# Altium PCB Item.PcbDoc
Units mm, origin at the board's own origin, x right, y up, seen from the top; angles counter-clockwise.
Board outline 40.5 x 39 mm, 2 copper layers (Top Layer, Bottom Layer); 35 components, 43 nets, 168 pads, 98 vias.
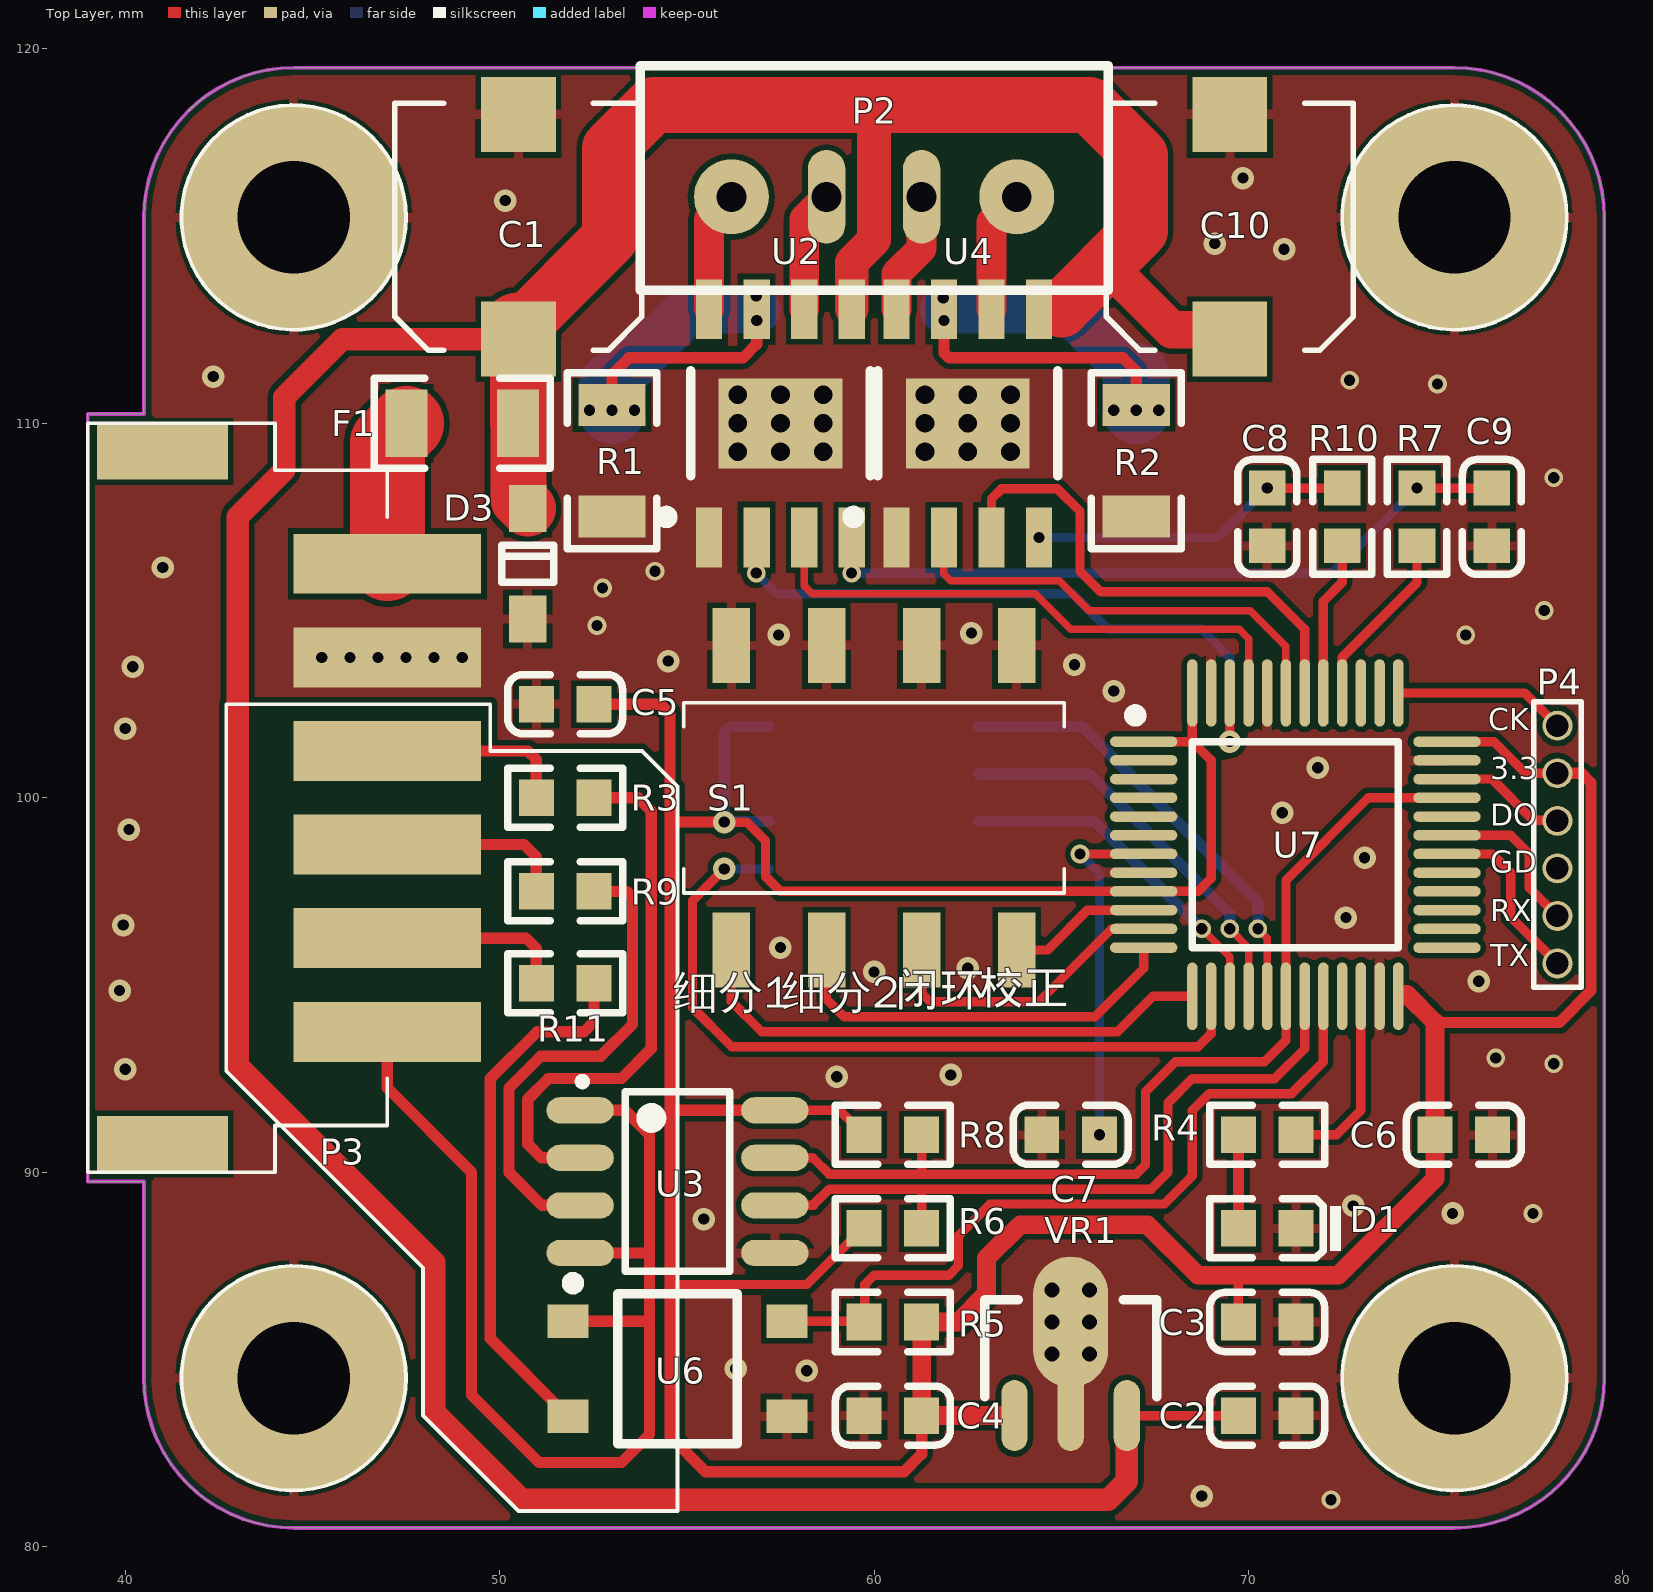
[diagram p0: Top Layer view]
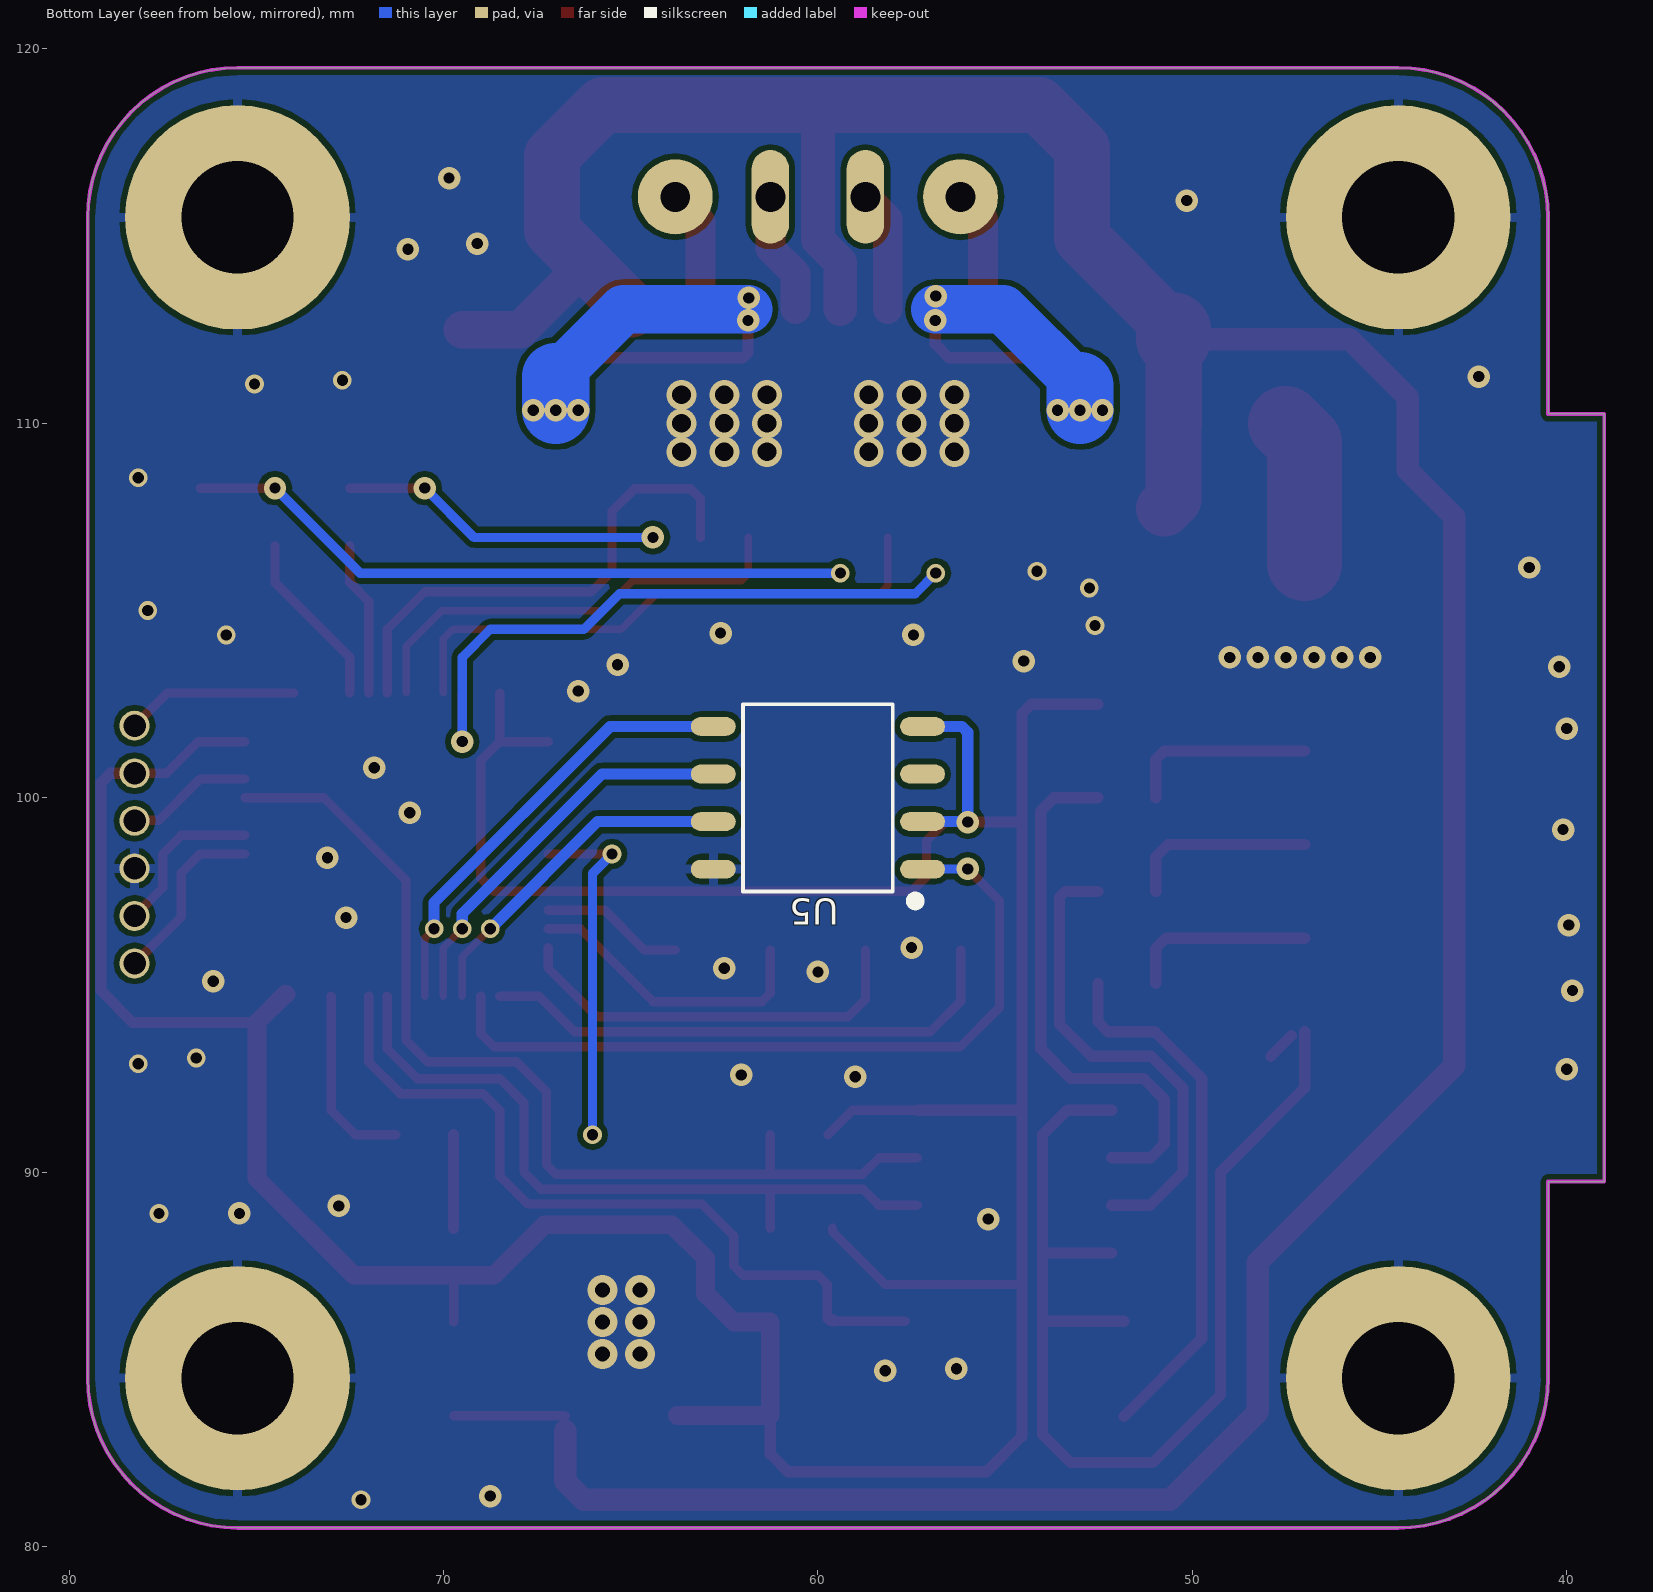
[diagram p1: Bottom Layer view, seen from below]
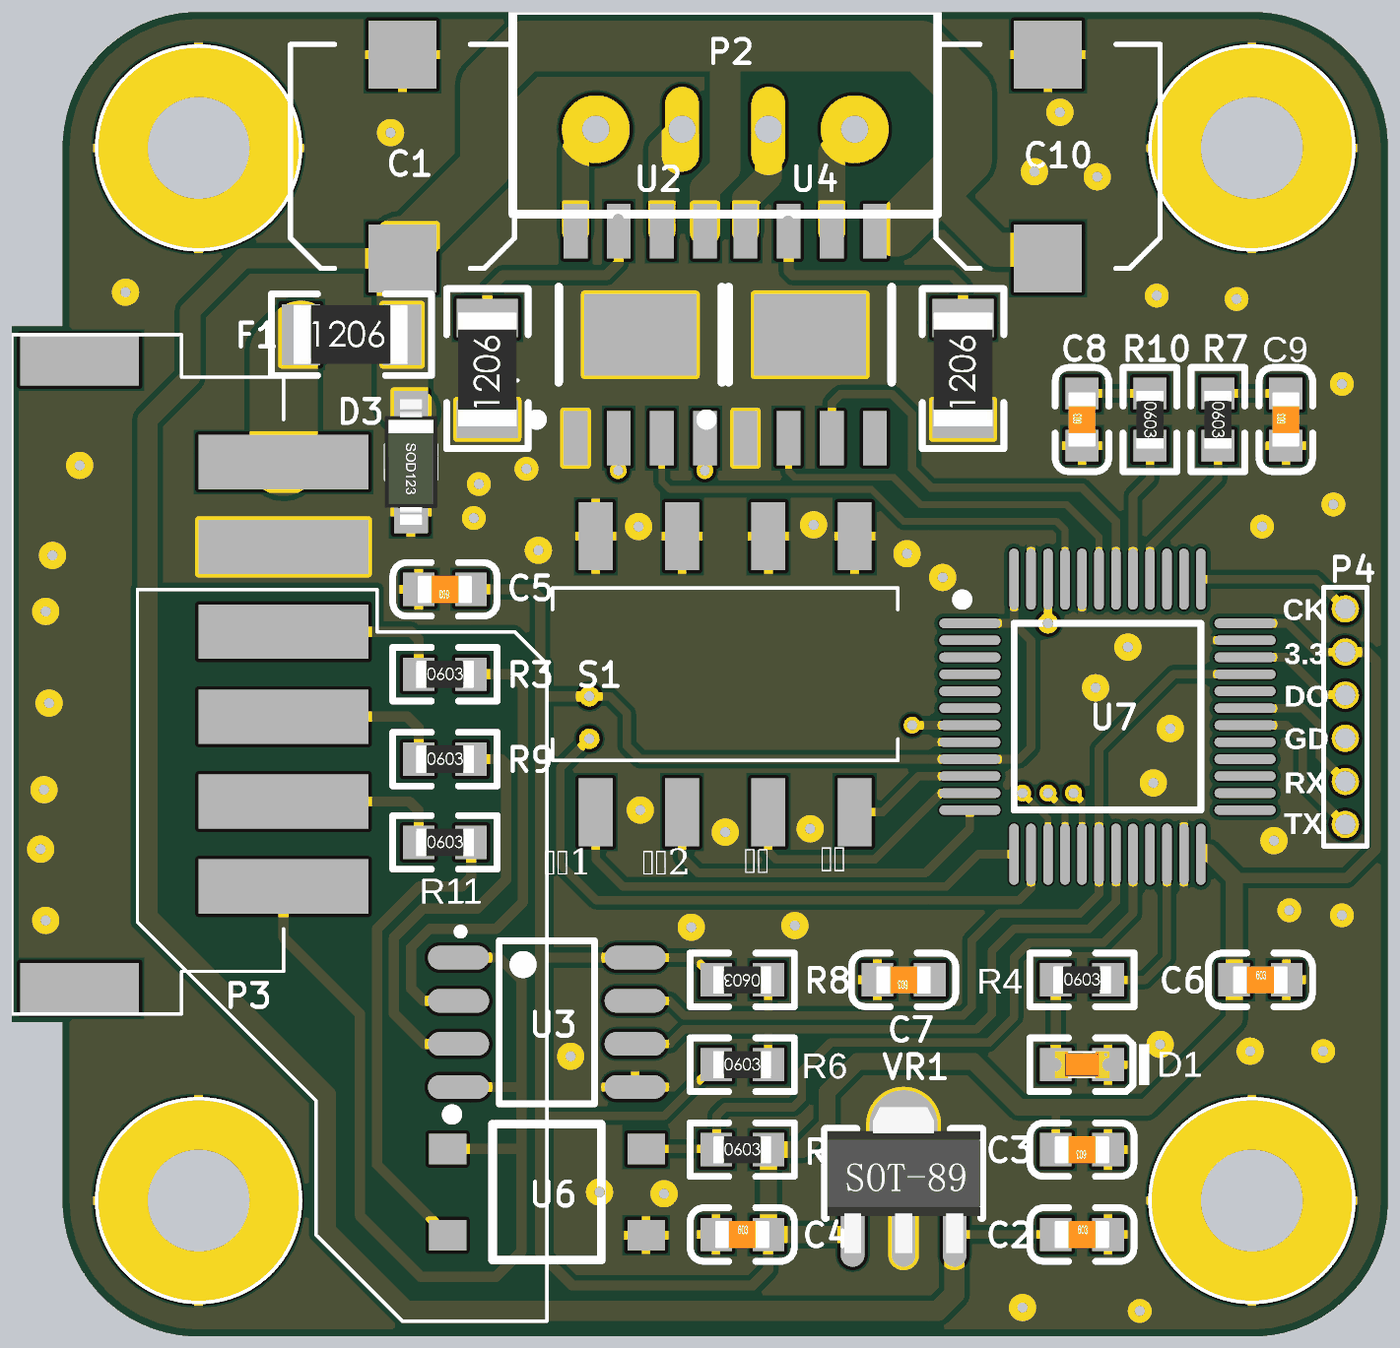
[diagram p2: 3D render of the assembled board from above, using the file's embedded part models]

## Layer stack, top to bottom
Top Layer: signal copper 0.0356
Dielectric: dielectric 0.32, FR-4, Dk 4.8
Bottom Layer: signal copper 0.0356

## Board outline
39,89.75 39,110.25 40.5,110.25 40.5,115.5 cw(c44.5,115.5) 44.5,119.5 75.5,119.5 cw(c75.5,115.5) 79.5,115.5 79.5,84.5 cw(c75.5,84.5) 75.5,80.5 44.5,80.5 cw(c44.5,84.5) 40.5,84.5 40.5,89.75

## Design rules (kind name [scope] priority, off if disabled: settings)
Clearance Clearance_1 [All] p1: gap=0.15
ComponentClearance [All] p1: gap=0 collisioncheckmode=3 verticalgap=0 showdistances=FALSE
HoleSize [All] p1: absolutevalues=TRUE maxlimit=5 minlimit=0.3 maxpercent=80.000 minpercent=20.000
HoleToHoleClearance [All] p1: gap=0.16 allowstackedmicrovias=TRUE
MinimumSolderMaskSliver [All] p1: minsoldermaskwidth=0
PolygonConnect PolygonConnect_2 [(InComponent('U2') OR InComponent('R1') OR InComponent('R2') OR InComponent('P3'))OR InComponent('U4') OR InComponent('VR1')] p1: connectstyle=Direct reliefconductorwidth=0.254 reliefentries=4 polygonreliefangle="90 Angle"
PolygonConnect PolygonConnect_1 [isvia] p2: connectstyle=Direct reliefconductorwidth=0.254 reliefentries=4 polygonreliefangle="90 Angle"
PolygonConnect [All] p3: connectstyle=Relief reliefconductorwidth=0.254 reliefentries=4 polygonreliefangle="90 Angle"
RoutingVias [All] p1: holewidth=0.3 width=0.6 viastyle="Through Hole" minholewidth=0.3 minwidth=0.5 maxholewidth=0.711 maxwidth=1.27
SilkToSilkClearance [All] p1: silktosilkclearance=0
SilkscreenOverComponentPads [All] p1: minsilkscreentomaskgap=0.1
SolderMaskExpansion [All] p1: expansion=0.102
Width [All] p1: maxlimit=5 minlimit=0.16 preferedwidth=0.25
22 further rules are at their usual default settings.

## Components (designator, comment, footprint, x,y, rotation, side; value= is the part's Value field where it differs from the comment)
C1 "CAP POL" CAP6377 50.5,115.25 r180 top
C2 "100nF (104) 10% 50V" 0603_C 70.5,83.5 r0 top
C3 "1uF (105) 10% 50V" 0603_C 70.5,86 r180 top
C4 "1uF (105) 10% 50V" 0603_C 60.5,83.5 r0 top
C5 "100nF (104) 10% 50V" 0603_C 51.75,102.5 r180 top
C6 "100nF (104) 10% 50V" 0603_C 75.75,91 r0 top
C7 "100nF (104) 10% 50V" 0603_C 65.25,91 r180 top
C8 "100nF (104) 10% 50V" 0603_C 70.5,107.5 r90 top
C9 "100nF (104) 10% 50V" 0603_C 76.5,107.5 r90 top
C10 "CAP POL" CAP6377 69.5,115.25 r180 top
D1 "蓝灯 0603" 0603_LED_S1 70.5,88.5 r180 top
D3 "DIODE" SOD-123 50.75,106.25 r270 top
F1 "FUSE" 1206_R 49,110 r0 top
P2 "HEADER4" XH-4 60,116.05 r180 top
P3 "HEADER6" XH-6-S 44,100 r90 top
P4 "HEADER6" 6P-1.27MM 78.25,98.75 r270 top
R1 "0.1Ω (R100) ±1%" 1206_R 53,109 r90 top
R2 "0.1Ω (R100) ±1%" 1206_R 67,109 r90 top
R3 "390Ω (3900) ±1%" 0603_R 51.75,100 r0 top
R4 "1KΩ (1001) ±1%" 0603_R 70.5,91 r0 top
R5 "1KΩ (1001) ±1%" 0603_R 60.5,86 r0 top
R6 "1KΩ (1001) ±1%" 0603_R 60.5,88.5 r0 top
R7 "1KΩ (1001) ±1%" 0603_R 74.5,107.5 r270 top
R8 "1KΩ (1001) ±1%" 0603_R 60.5,91 r180 top
R9 "390Ω (3900) ±1%" 0603_R 51.75,97.5 r0 top
R10 "1KΩ (1001) ±1%" 0603_R 72.5,107.5 r270 top
R11 "390Ω (3900) ±1%" 0603_R 51.75,95.05 r0 top
S1 "SWDIP-4" SWSUR-4 60,100 r90 top
U2 "A4950" SOIC-8_A4950 57.5,110 r0 top
U3 "TLP2168" SO-8_3.9MM 54.75,89.75 r270 top
U4 "A4950" SOIC-8_A4950 62.5,110 r0 top
U5 "MT6816" PG-DSO-8S 60,100 r0 bottom
U6 "EL357N(B)(TA)-G" SOP-4_P2.54 54.75,84.75 r0 top
U7 "STM32F030C8T6" LQFP-48_7x7x05P 71.25,98.75 r270 top
VR1 "78L05G-AB3-R" SOT-89(SOT-89-3) 65.25,83.5 r270 top

## Footprints (in the part's own frame and the unit in brackets; to place one, negate y for a bottom-side part, rotate by r counter-clockwise, add the part's x,y. Pads: shape width x height; smd on the part's side, far side on the other; paste and mask are expansions set on the pad)
6P-1.27MM [mm]
  round 0.8 hole 0.6: 1(-3.175,0) 2(-1.905,0) 3(-0.635,0) 4(0.635,0) 5(1.905,0) 6(3.175,0)
  silkscreen extent -3.81,-0.64 3.81,0.64
0603_C [mm]
  rect 0.93x0.98 smd: 1(-0.77,0) 2(0.77,0)
  silkscreen extent -1.53,-0.79 1.54,0.79, body extent -0.8,-0.4 0.8,0.4, height 0.3
0603_LED_S1 [mm]
  rect 0.93x0.98 smd: A(0.77,0) K(-0.77,0)
  silkscreen extent -1.98,-0.79 1.54,0.79, body extent -0.8,-0.4 0.8,0.4, height 0.6
0603_R [mm]
  rect 0.93x0.98 smd: 1(-0.77,0) 2(0.77,0)
  silkscreen extent -1.53,-0.79 1.54,0.79, body extent -0.85,-0.4 0.85,0.4, height 0.56
1206_R [mm]
  rect 1.13x1.8 smd: 1(-1.49,0) 2(1.49,0)
  silkscreen extent -2.36,-1.2 2.35,1.2, body extent -1.7,-0.86 1.65,0.87, height 0.85
CAP6377 [mm]
  rect 2x2 smd: 1(0,3) 2(0,-3)
  silkscreen extent -3.3,-3.3 3.3,3.3
LQFP-48_7x7x05P [mm]
  oval 0.28x1.8 smd mask+0.051: 1(-2.75,-4.05) 2(-2.25,-4.05) 3(-1.75,-4.05) 4(-1.25,-4.05) 5(-0.75,-4.05) 6(-0.25,-4.05) 7(0.25,-4.05) 8(0.75,-4.05) 9(1.25,-4.05) 10(1.75,-4.05) 11(2.25,-4.05) 12(2.75,-4.05) 25(2.75,4.05) 26(2.25,4.05) 27(1.75,4.05) 28(1.25,4.05) 29(0.75,4.05) 30(0.25,4.05) 31(-0.25,4.05) 32(-0.75,4.05) 33(-1.25,4.05) 34(-1.75,4.05) 35(-2.25,4.05) 36(-2.75,4.05)
  oval 1.8x0.28 smd mask+0.051: 13(4.05,-2.75) 14(4.05,-2.25) 15(4.05,-1.75) 16(4.05,-1.25) 17(4.05,-0.75) 18(4.05,-0.25) 19(4.05,0.25) 20(4.05,0.75) 21(4.05,1.25) 22(4.05,1.75) 23(4.05,2.25) 24(4.05,2.75) 37(-4.05,2.75) 38(-4.05,2.25) 39(-4.05,1.75) 40(-4.05,1.25) 41(-4.05,0.75) 42(-4.05,0.25) 43(-4.05,-0.25) 44(-4.05,-0.75) 45(-4.05,-1.25) 46(-4.05,-1.75) 47(-4.05,-2.25) 48(-4.05,-2.75)
  silkscreen extent -3.6,-4.42 2.75,2.75
PG-DSO-8S [mm] "SOP, 8-Leads, Body 4.9x3.9mm, Pitch 1.27mm, IPC Medium Density"
  oval 1.2x0.5 smd: 1(-2.794,1.905) 2(-2.794,0.635) 3(-2.794,-0.635) 4(-2.794,-1.905) 5(2.794,-1.905) 6(2.794,-0.635) 7(2.794,0.635) 8(2.794,1.905)
  silkscreen extent -2.72,-2.5 2,2.88
SO-8_3.9MM [mm]
  oval 0.7x1.8 smd: 1(-1.905,-2.6) 2(-0.635,-2.6) 3(0.635,-2.6) 4(1.905,-2.6) 5(1.905,2.6) 6(0.635,2.6) 7(-0.635,2.6) 8(-1.905,2.6)
  silkscreen extent -2.75,-2.62 2.4,1.4
SOD-123 [mm]
  rect 1.25x1 smd: 1(1.475,0) 2(-1.475,0)
  silkscreen extent -0.5,-0.7 0.5,0.7, body extent -1.85,-0.77 1.85,0.78, height 1.35
SOIC-8_A4950 [mm]
  rect 0.7x1.6 smd: 1(-1.905,-3.048) 2(-0.635,-3.048) 3(0.635,-3.048) 4(1.905,-3.048) 5(1.905,3.048) 6(0.635,3.048) 7(-0.635,3.048) 8(-1.905,3.048)
  rect 3.3x2.4 smd: 9(0,-0.005)
  silkscreen extent -3.2,-2.65 2.4,1.4
SOP-4_P2.54 [mm]
  rect 1.1x0.9 smd: 1(-2.921,1.27) 2(-2.921,-1.27) 3(2.921,-1.27) 4(2.921,1.27)
  silkscreen extent -2.94,-2 1.6,2.44
SOT-89(SOT-89-3) [mm]
  oval 1.9x0.7 smd: 1(0,-1.5) 3(0,1.5)
  oval 3.5x2 smd: 2(-2.5,0)
  oval 2.1x0.7 smd: 2(-0.1,0)
  silkscreen extent -3.1,-2.3 -0.5,2.3, body extent -3.75,-2.25 0.55,2.25, height 1.51
SWSUR-4 [mm]
  rect 2x1 smd: 1(-4.064,3.81) 2(4.064,3.81) 3(-4.064,1.27) 4(4.064,1.27) 5(-4.064,-1.27) 6(4.064,-1.27) 7(-4.064,-3.81) 8(4.064,-3.81)
  silkscreen extent -2.54,-5.08 2.54,5.08
XH-4 [mm]
  round 2 hole 0.8: 1(-3.81,0) 4(3.81,0)
  oval 1x2.5 hole 0.8: 2(-1.27,0) 3(1.27,0)
  silkscreen extent -6.25,-3.5 6.25,2.5
XH-6-S [mm]
  rect 1.6x5 smd: 1(6.25,-3) 2(3.75,-3) 3(1.25,-3) 4(-1.25,-3) 5(-3.75,-3) 6(-6.25,-3)
  rect 1.5x3.5 smd: ""(-9.25,3) ""(9.25,3)
  silkscreen extent -10,-3 10,5

## Part data
C1 C10: "Polarized Capacitor (Axial)"
C2 C5 C6 C7 C8 C9: library part "0603 100nF (104) 10% 50V", "贴片µ"
C3 C4: library part "0603 1uF (105) 10% 50V", "贴片µ"
D1: library part "0603 蓝灯", "发光"
D3: "Diode"
F1: "Fuse"
P2: "Header, 4-Pin"
P3 P4: "Header, 6-Pin"
R1 R2: library part "1206 0.1Ω (R100) 1%", "贴片"
R3 R9 R11: library part "0603 390Ω (3900) 1%", "贴片"
R4 R5 R6 R7 R8 R10: library part "0603 1KΩ (1001) 1%", "贴片"
S1: "DIP Switch, 4Position, SPST"
U2 U4: "Dual Full-Bridge  DMOS PWM Motor Driver"
U3: "HIGH SPEED 10MBit/s LOGIC GATE  PHOTOCOUPLER"
U5: "GMR-Based Angle Sensor"
U6: library part EL357N(B)(TA)-G_[C6649], "贴片¹"
U7: "ARM"
VR1: library part "SOT-89 78L05G-AB3-R", "低压差线性稳Ñ"

## Free pads (board coordinates)
  round 6 hole 3: ""(44.5,84.5) ""(44.5,115.5) ""(75.5,84.5) ""(75.5,115.5)

## Via types
v1: diameter 0.6, hole 0.3, Top Layer to Bottom Layer, 55 vias
v2: diameter 0.5, hole 0.3, Top Layer to Bottom Layer, 19 vias
v3: diameter 0.8, hole 0.5, Top Layer to Bottom Layer, 18 vias
v4: diameter 0.8, hole 0.4, Top Layer to Bottom Layer, 6 vias

## Nets (pads, with @x,y where several pads share a name; then routed paths per layer and width w, separated by ;. In a path a pad name is that pad's centre, name@x,y a point inside that pad or via, vN(x,y) a via of type N, cw(c..) or ccw(c..) an arc to the next point about the centre after c; other vN are vias at no path point)
3.3V: C3.2 C4.2 C5.1 C6.1 P4.2 R5.2 R6.1 R8.2 U3.8 U5.2 U5.4 U7.1 U7.9 U7.24 U7.36 U7.48 VR1.1 | length 111.1
  Top Layer w0.25: 54.55,87 58.2,87 59.61,88.41 R6.1@59.61,88.5 ; v1(56,99.35) 56.6,99.35 57.1,98.85 57.1,97.9 57.5,97.5 U7.9 68.65,97.5 69,97.85 69,101 68.5,101.5 ; U3.8 59.075,91.655 R8.2 ; U7.1 68.5,101.5 ; U7.48 68.5,101.5 ; C3.2 69.73,87.23 69.75,87.25 ; U7.36 76.55,101.5 77.395,100.655 P4.2
  Top Layer w0.3: C5.1 54.3,102.5 54.55,102.25 54.55,99.35 ; v1(56,99.35) 54.55,99.35 ; U3.8 54.55,91.655 ; C4.2 61.27,82.47 60.8,82 55.5,82 54.55,82.95 54.55,87 54.55,91.655 ; 74.98,94 78.3,94 79.15,94.85 79.15,100.4 78.895,100.655 P4.2 ; 54.55,91.655 54.55,99.35
  Top Layer w0.5: VR1.1 C4.2 R5.2 62.25,86 63,86.75 63,87.7 63.9,88.6 67.3,88.6 68.65,87.25 69.75,87.25 72.4,87.25 74.98,89.83 C6.1 74.98,94 74.23,94.75 74.2,94.75
  Bottom Layer w0.25: v1(56,99.35) v1@56.015,99.365
  Bottom Layer w0.3: v1(56,99.35) 56,101.75 56.155,101.905 U5.4 ; v1@56.015,99.365 U5.2
CAL: S1.7 U7.10 | length 3.8
  Top Layer w0.25: S1.7 64.636,95.936 65.7,97 U7.10
CLK-: P3.3 R3.1 | length 5.1
  Top Layer w0.3: P3.3 50.75,101.25 50.98,101.02 R3.1
CLKIN: R8.1 U3.7 U7.18 U7.33 | length 27
  Top Layer w0.25: U3.7 58.365,90.385 58.8,89.95 67,89.95 67.25,90.2 67.25,92.15 68.05,92.95 70.425,92.95 71,93.525 U7.18 71,97.8 73.2,100 U7.33 ; 61.27,89.97 R8.1
COM: P3.6 U3.1 U3.4 U6.1 | length 31.4
  Top Layer w0.3: P3.6 47,92.25 49.25,90 49.25,84.05 51.05,82.25 53.25,82.25 54,83 54,87.85 ; P3.6@47.35,93.65 P3.6@47.9,93.1 ; U6.1 54,86.02 ; U3.4 53.995,87.845 54,87.85 ; U3.1 53.345,91.655 54,91 54,87.85
CSQ: U5.1 U7.14 | length 20.7
  Top Layer w0.25: v1(56,98.1) 55.15,97.25 55.15,94.4 56.2,93.35 68.65,93.35 69,93.7 U7.14
  Bottom Layer w0.25: v1@56.005,98.095 v1(56,98.1) 57.201,98.1 U5.1
DIR-: P3.4 R9.1 | length 5
  Top Layer w0.3: P3.4 50.65,98.75 50.98,98.42 R9.1
DIRIN: R6.2 U3.6 U7.19 | length 19.4
  Top Layer w0.25: U3.6 58.385,89.115 58.385,89.135 58.8,89.55 61.25,89.55 ; R6.2 61.27,89.53 61.25,89.55 ; U7.19 71.5,93.3 70.7,92.5 68.5,92.5 67.85,91.85 67.85,90 67.4,89.55 61.25,89.55
EN-: P3.5 R11.1 | length 5
  Top Layer w0.3: P3.5 50.7,96.25 50.98,95.97 R11.1
ENIN: R5.1 U6.4 U7.20 | length 21.4
  Top Layer w0.25: U6.4 R5.1@59.53,86.02 ; R5.1@59.61,86 R5.1@59.61,86.02 ; R5.1@59.75,86.09 R5.1@59.61,86.09 ; 59.8,87.05 59.75,87 ; U7.20 72,92.95 71.15,92.1 68.95,92.1 68.5,91.65 68.5,89.9 67.75,89.15 63.1,89.15 62.25,88.3 62.25,87.5 62,87.25 60,87.25 59.75,87 ; R5.1@59.53,86.02 R5.1@59.61,86.02 ; R5.1@59.53,86.02 59.6,86.09 R5.1@59.61,86.09 ; R5.1@59.61,86.02 R5.1@59.61,86.09 ; R5.1@59.61,86.02 59.68,86.02 59.68,86.09 59.75,86.16 59.75,87
GND: C1.2 C2.2 C3.1 C4.1 C5.2 C6.2 C7.2 C8.1 C9.1 C10.2 D1.K D3.1 P3.2 P4.4 pad. R1.1 R2.1 S1.2 S1.4 S1.6 S1.8 U2.1 U2.9 U3.5 U4.1 U4.9 U5.8 U6.3 U7.8 U7.23 U7.35 U7.44 U7.47 VR1.2
  other v1: 68.75,81.35 58.2,84.7 56.3,84.75 55.45,88.75 75.45,88.9 72.8,89.1 59,92.55 62.05,92.6 40,92.75 39.85,94.85 76.15,95.1 60,95.35 62.5,95.45 57.5,96 39.95,96.6 72.6,96.8 73.1,98.4 40.1,99.15 70.9,99.6 71.85,100.8 40,101.85 66.4,102.85 40.2,103.5 65.35,103.55 54.5,103.65 45.25,103.75 46,103.75 46.75,103.75 47.5,103.75 48.25,103.75 49,103.75 57.45,104.35 62.6,104.4 41,106.15 42.35,111.25 70.95,114.65 69.1,114.8 50.15,115.95 69.85,116.55
  other v2: 72.2,81.25 77.6,88.9 78.15,92.9 76.6,93.05 75.8,104.35 52.6,104.6 77.9,105 52.75,105.6 54.15,106.05 78.15,108.55 75.05,111.05 72.7,111.15
  other v3: 56.357,109.238 57.5,109.238 58.643,109.238 61.357,109.238 62.5,109.238 63.643,109.238 56.357,110 57.5,110 58.643,110 61.357,110 62.5,110 63.643,110 56.357,110.762 57.5,110.762 58.643,110.762 61.357,110.762 62.5,110.762 63.643,110.762
  other v4: 64.75,85.15 65.75,85.15 64.75,86 65.75,86 64.75,86.85 65.75,86.85
IN1: U4.3 U7.42 | length 13.7
  Top Layer w0.25: U4.3 63.135,107.985 63.4,108.25 64.9,108.25 65.5,107.65 65.5,106.05 66.05,105.5 70.5,105.5 71.5,104.5 U7.42
IN2: U4.2 U7.43 | length 12.2
  Top Layer w0.2: U4.2 61.865,105.985 62.05,105.8 64.95,105.8 65.75,105 70.05,105 71,104.05 U7.43
IN3: U2.3 U7.45 | length 15.2
  Top Layer w0.2: U2.3 58.135,105.665 58.35,105.45 64.3,105.45 65.25,104.5 69.75,104.5 70,104.25 U7.45
IN4: U2.2 U7.46 | length 17.1
  Top Layer w0.25: v1(69.5,101.5) U7.46
  Bottom Layer w0.25: v2(56.85,106) 57.4,105.45 65.3,105.45 66.25,104.5 68.75,104.5 69.5,103.75 v1(69.5,101.5)
MISO: U5.6 U7.16 | length 10.7
  Top Layer w0.2: v2(69.5,96.5) 70,96 U7.16
  Bottom Layer w0.3: U5.6 65.765,100.635 69.5,96.9 v2(69.5,96.5)
MOSI: U5.5 U7.17 | length 12
  Top Layer w0.2: v2(70.25,96.5) 70.5,96.25 U7.17
  Bottom Layer w0.3: U5.5 65.545,101.905 70.25,97.2 v2(70.25,96.5)
NetC7_1: C7.1 U7.7 | length 9.4
  Top Layer w0.25: v2(65.5,98.5) U7.7
  Bottom Layer w0.25: v2(65.5,98.5) 66.02,97.98 v2(66.02,91)
NetD1_A: D1.A R4.1 | length 2.5
  Top Layer w0.3: D1.A R4.1
NetF1_1: F1.1 P3.1 | length 4
  Top Layer w2: P3.1 47,109.49 F1.1
NetR1_2: R1.2 U2.7 | length 11.7
  Top Layer w0.3: v1(53,110.35) 53,111.3 53.45,111.75 56.5,111.75 56.865,112.115 U2.7 v1(56.865,112.75)
  Bottom Layer w1.3: 53,111 55.048,113.048 v1@56.865,113.048
  Bottom Layer w1.8: v1(53,110.35) 53,111
  other v1: 52.4,110.35 53.6,110.35 56.85,113.4
NetR2_2: R2.2 U4.7 | length 14.6
  Top Layer w0.3: v1(61.865,112.75) U4.7 61.865,111.885 62,111.75 66.65,111.75 67,111.4 v1(67,110.35)
  Bottom Layer w1.3: v1@61.865,113.048 65.202,113.048 67,111.25
  Bottom Layer w1.8: v1(67,110.35) 67,111.25
  other v1: 66.4,110.35 67.6,110.35 61.85,113.35
NetR3_2: R3.2 U3.2 | length 14.6
  Top Layer w0.3: U3.2 51.115,90.385 50.75,90.75 50.75,91.95 51.3,92.5 53.25,92.5 54.05,93.3 54.05,99.65 53.7,100 R3.2
NetR4_2: R4.2 U7.22 | length 5
  Top Layer w0.25: R4.2 72.35,91 73,91.65 U7.22
NetR9_2: R9.2 U3.3 | length 13
  Top Layer w0.3: U3.3 51.135,89.115 50.25,90 50.25,92.25 51.1,93.1 52.7,93.1 53.55,93.95 53.55,97.35 53.4,97.5 R9.2
NetR11_2: R11.2 U6.2 | length 14.3
  Top Layer w0.3: U6.2 49.75,85.559 49.75,92.5 51,93.75 52.25,93.75 52.52,94.02 R11.2
OPCL: S1.5 U7.11 | length 8
  Top Layer w0.25: S1.5 61.27,94.78 61.5,94.55 64.4,94.55 66.35,96.5 U7.11
OUT1: P2.1 U4.6 | length 3.3
  Top Layer w0.8: U4.6 63.135,115.375 P2.1
OUT2: P2.2 U4.8 | length 3.3
  Top Layer w0.8: U4.8 60.595,113.995 61.27,114.67 P2.2
OUT3: P2.3 U2.6 | length 3.2
  Top Layer w0.8: U2.6 58.135,115.455 P2.3
OUT4: P2.4 U2.8 | length 3.2
  Top Layer w0.8: U2.8 55.595,115.455 P2.4
PWM1: R7.2 U7.40 | length 4.8
  Top Layer w0.25: U7.40 72.5,103.75 74.5,105.75 R7.2
PWM2: R10.2 U7.41 | length 4.1
  Top Layer w0.25: U7.41 72,105.25 72.5,105.75 R10.2
RX: P4.5 U7.31 | length 4.4
  Top Layer w0.25: U7.31 77,99 77.5,98.5 77.5,97.595 P4.5
SCK: U5.7 U7.15 | length 9.3
  Top Layer w0.2: v2(68.75,96.5) 69.5,95.75 U7.15
  Bottom Layer w0.3: U5.7 65.885,99.365 v2(68.75,96.5)
SET1: S1.1 U7.13 | length 14.4
  Top Layer w0.25: S1.1 56.19,94.56 57,93.75 66.5,93.75 67.45,94.7 U7.13
SET2: S1.3 U7.12 | length 11.1
  Top Layer w0.25: S1.3 58.73,94.62 59.2,94.15 65.9,94.15 67.2,95.45 U7.12
SWCLK: P4.1 U7.37 | length 4.6
  Top Layer w0.25: U7.37 77.375,102.8 P4.1
SWDIO: P4.3 U7.34 | length 3.4
  Top Layer w0.25: U7.34 76.5,100.5 77.6,99.4 78.235,99.4 P4.3
TX: P4.6 U7.30 | length 4.8
  Top Layer w0.25: U7.30 76.5,98.5 77,98 77,96.825 P4.6
VIN: C1.1 C2.1 C10.1 D3.2 F1.2 U2.5 U4.5 VR1.3 | length 103.7
  Top Layer w0.25: VR1.3 C2.1
  Top Layer w0.6: C1.1 45.8,112.25 44.25,110.7 44.25,108.75 43,107.5 43,92.85 48.25,87.6 48.25,83.6 50.6,81.25 66.25,81.25 66.75,81.75 VR1.3@66.75,83.1
  Top Layer w0.9: U2.5 59.405,114.305 60,114.9 60,118.5
  Top Layer w1: 66.125,114.325 67.95,112.5 C10.1@69.5,112.5
  Top Layer w1.5: F1.2 50.49,112.24 C1.1 50.5,107.975 D3.2 ; C1.1@50.5,112.5 52.95,114.95 52.95,117.35 54.1,118.5 60,118.5 65.75,118.5 67.1,117.15 67.1,115.15 64.998,113.048
  Top Layer w2: C1.1 C1.1@50.5,112.5
VR12: C8.2 R10.1 U4.4 | length 8.6
  Top Layer w0.25: v1(70.5,108.27) R10.1
  Bottom Layer w0.25: v1(64.405,106.952) 69.182,106.952 v1(70.5,108.27)
VR34: C9.2 R7.1 U2.4 | length 18
  Top Layer w0.25: v1(74.5,108.27) C9.2
  Bottom Layer w0.25: v2(59.4,106) 72.23,106 v1(74.5,108.27)
pads on no net: P3. U5.3 U7.2 U7.3 U7.4 U7.5 U7.6 U7.21 U7.25 U7.26 U7.27 U7.28 U7.29 U7.32 U7.38 U7.39

## Polygon pours and split planes (outlines as drawn)
GND on Bottom Layer "Top Layer-No Net" (solid, remove dead copper, pour order 5): 39,119.5 39,80.5 79.5,80.5 79.5,119.5
GND on Top Layer "Top Layer-No Net" (solid, remove dead copper, pour order 2): 39,119.5 39,80.5 79.5,80.5 79.55,80.55 79.55,119.5 79.45,119.5 79.5,119.5

## Keep-outs
Keep-Out Layer:
  the board outline again, w0.1

## Silkscreen, mask and mechanical layers (free items; w line width, h text height)
Top Overlay:
  circle w0.1: c75.5,84.5 r3
  circle w0.1: c75.5,115.5 r3
  circle w0.1: c44.5,115.5 r3
  circle w0.1: c44.5,84.5 r3
  lines w0.1: 42.7,92.7 47.95,87.45 47.95,83.5 50.5,80.95 54.75,80.95 54.75,100.3 53.8,101.25 49.75,101.25 49.75,102.5 42.7,102.5 42.7,92.7
  text "CK" at 76.4,101.6 h1
  text "3.3" at 76.45,100.3 h1
  text "DO" at 76.45,99.05 h1
  text "GD" at 76.45,97.8 h1
  text "RX" at 76.45,96.5 h1
  text "TX" at 76.45,95.3 h1
  text "校正" at 62.8,94.2 h1.5
  text "闭环" at 60.55,94.15 h1.5
  text "细分1" at 54.65,94.1 h1.5
  text "细分2" at 57.55,94.1 h1.5
Top Solder:
  lines w0.4: 59,116.5 59,116.5
Bottom Solder:
  rectangle: 63,84.25 67.5,87.75
  rectangle: 54.75,108.25 65.5,111.8